# KiCad board keyboard0 - SK6812.kicad_pcb (continued)
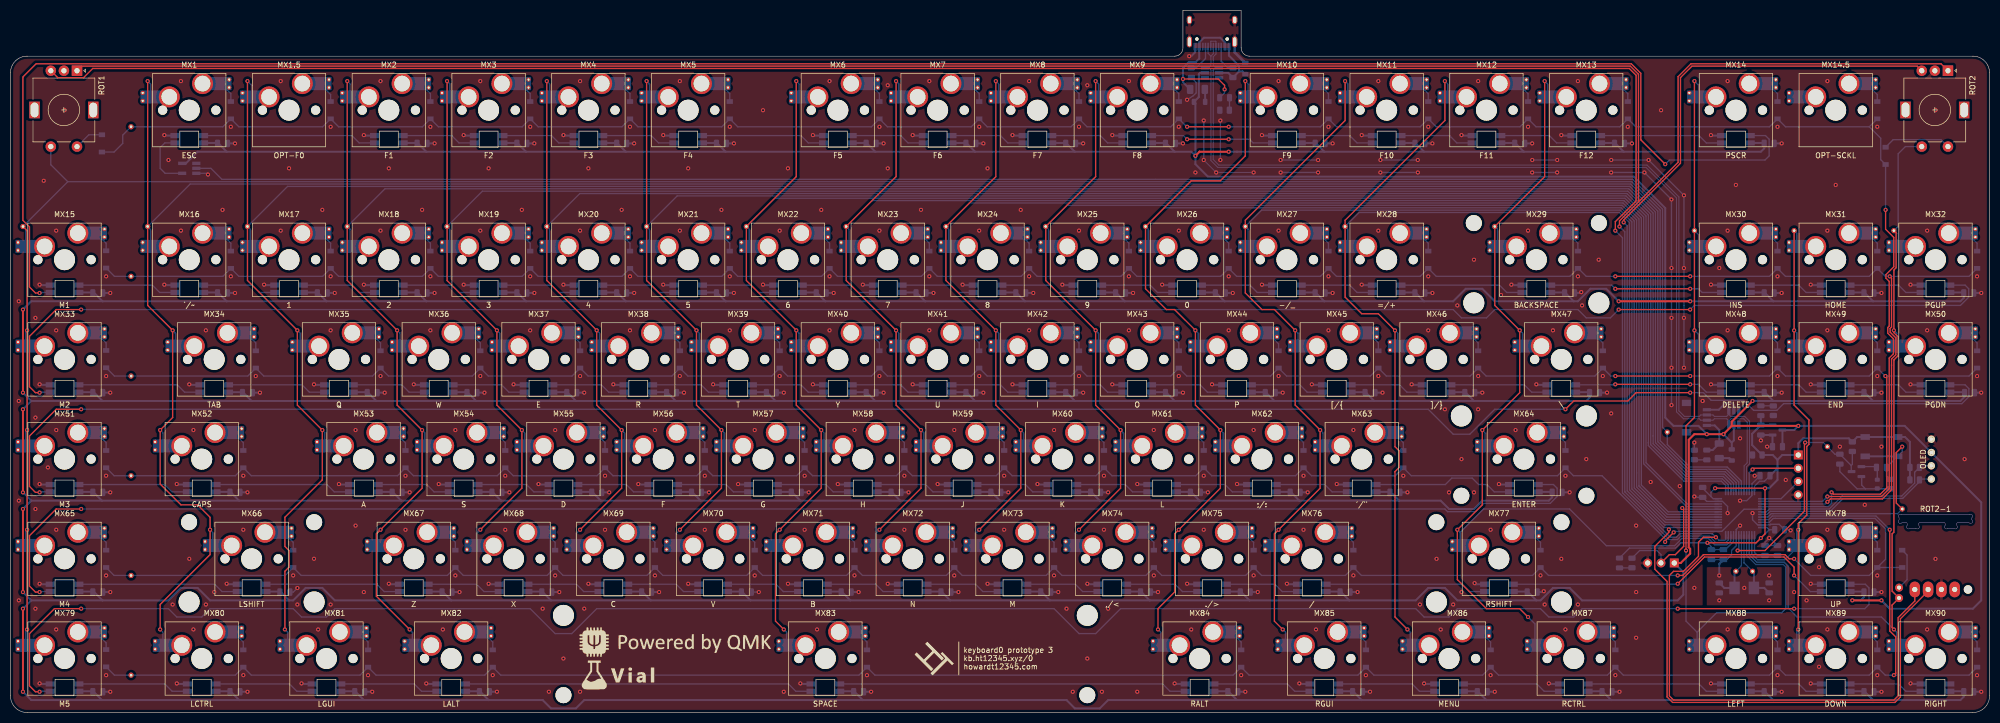
[diagram p0: board, top side]
## Routing (per net, layer and track width the routed paths; a pad name or vN(x,y) marks a point on that pad's centre or on a via; arc(x,y) is an arc through that point) (continued)
Earth: length 4.9
  Bottom w0.508: USB1.13 233.7,126.13 FB5.2
ENCODER_A: length 586.7
  Top w0.25: 13.57,123.5 309.22,123.5 310.79,121.94 310.79,97.56 ; v1(307.16,92.86) 307.16,93.94 318.35,105.13 318.35,121.49 320.81,123.95 368.54,123.95 ROT2.A ; ROT2-1.A 363.53,21.29 360.34,18.1 360.34,3.17 359.55,2.38 317.48,2.38 316.69,3.17 316.69,26.19 317.48,26.99 319.38,26.99 322.24,29.84 322.24,32.54 323.19,33.49 v1(325.57,33.49)
  Bottom w0.25: U14.12 327.43,33.08 327.29,32.94 326.12,32.94 v1(325.57,33.49) 324.89,34.17 318.71,34.17 318.04,33.5 316.85,33.5 308.18,42.17 308.18,91.85 v1(307.16,92.86)
ENCODER_B1: length 411.8
  Top w0.25: ROT1.B 9.02,121.3 13.96,121.3 15.71,123.05 309.04,123.05 310.34,121.75 310.34,97.75 306.37,93.78 v1(306.37,92.07)
  Bottom w0.25: v1(306.37,92.07) 307.73,90.71 307.73,41.98 315.93,33.77 316.66,33.05 318.22,33.05 318.89,33.72 324.31,33.72 325.54,32.49 327.47,32.49 327.9,32.92 327.9,33.44
ENCODER_B2: length 253.5
  Top w0.25: v1(316.59,34.99) 316.59,34.43 313.91,31.75 313.91,27.38 316.24,25.05 316.24,2.99 317.29,1.93 359.73,1.93 360.79,2.99 360.79,17.91 366.07,23.19 ; v1(307.96,93.66) 307.96,94.09 318.8,104.94 318.8,121.31 321,123.5 363.99,123.5 ROT2.B
  Bottom w0.25: v1(307.96,93.66) 308.63,92.99 308.63,42.35 315.63,35.35 316.23,35.35 v1(316.59,34.99) 316.95,35.35 U14.13
KEYBOARD_RESET: length 46.7
  Top w0.25: v1(342.6,51.59) 342.47,51.45 342.47,38.48 334.94,30.95 v1(329.7,30.95)
  Bottom w0.25: v1(329.7,30.95) 329.93,31.18 U14.7 ; 351.4,47.19 351.4,46.03 ; 351.4,47.19 351.61,47.4 R5.2 ; 351.4,47.19 C4.1 348.28,49.37 RST1.1 346.05,51.59 v1(342.6,51.59)
KEYBOARD_XTAL1: length 14.2
  Bottom w0.25: U14.5 330.93,28.62 X1.1
  Bottom w0.381: X1.1 332.82,26.72 Y2.1 334.79,23.81 C3.1
KEYBOARD_XTAL2: length 14
  Bottom w0.25: U14.6 330.43,28.03 X2.1
  Bottom w0.381: C7.1 327.16,23.81 Y2.2 329.12,26.72 X2.1
ROT1_ROW: length 459.6
  Top w0.25: v1(346.85,41.27) 357.16,41.27 358.65,42.75 358.65,67.73 359.46,68.55 359.46,71.39 358.37,72.49 358.37,73.55 358.65,73.83 358.65,82.37 358.03,82.99 358.03,83.67 359.52,85.15 359.52,90.78 357.96,92.33 v1(357.96,96.04) ; v1(224.62,111.91) v1(232.55,111.91)
  Bottom w0.25: v1(346.85,41.27) 345.92,40.35 U14.38 ; 354.85,111.91 338.85,111.91 KD14.1 335.8,111.91 310.27,111.91 KD13.1 307.22,111.91 291.23,111.91 KD12.1 288.18,111.91 272.18,111.91 KD11.1 269.13,111.91 253.13,111.91 KD10.1 250.08,111.91 v1(232.55,111.91) ; 354.85,111.91 KD14-1.1 ; 354.85,111.91 357.03,109.72 357.03,105.63 D4.1 v1(357.96,96.04) ; v1(224.62,111.91) 224.55,111.91 KD9.1 221.5,111.91 205.51,111.91 KD8.1 202.46,111.91 186.46,111.91 KD7.1 183.41,111.91 167.41,111.91 KD6.1 164.36,111.91 138.83,111.91 KD5.1 135.79,111.91 119.79,111.91 KD4.1 116.74,111.91 100.74,111.91 KD3.1 97.69,111.91 81.69,111.91 KD2.1 78.64,111.91 62.64,111.91 KD1-1.1 59.59,111.91 43.59,111.91 KD1.1 40.54,111.91 ROW0.1 21.43,110.32 21.43,108.74 19.78,107.09 D3.1
ROT2-1_ROW: length 395.4
  Top w0.25: v1(340.5,29.37) 339.55,29.37 338.75,30.16 323.19,30.16 319.23,26.19 v1(318.27,26.19)
  Bottom w0.25: v1(318.27,26.19) 293.61,26.19 KD77.1 290.56,26.19 257.89,26.19 KD76.1 254.84,26.19 238.84,26.19 KD75.1 235.79,26.19 219.79,26.19 KD74.1 216.74,26.19 200.74,26.19 KD73.1 197.69,26.19 181.69,26.19 KD72.1 178.65,26.19 162.65,26.19 KD71.1 159.6,26.19 143.6,26.19 KD70.1 140.55,26.19 124.55,26.19 KD69.1 121.5,26.19 105.5,26.19 KD68.1 102.45,26.19 86.45,26.19 KD67.1 83.4,26.19 55.5,26.19 KD66.1 52.45,26.19 19.78,26.19 KD65.1 ; U14.46 335.76,36.35 336.51,37.09 336.88,37.09 355.95,37.09 357.96,35.08 357.96,29.3 KD78.1 ; v1(340.5,29.37) 343.67,26.19 354.85,26.19 KD78.1 ; KD78.1 D6.1
ROW1: length 446.3
  Top w0.25: v1(346.86,40.26) 347.42,40.82 357.35,40.82 359.1,42.57 359.1,66.35 359.1,66.35 359.1,67.54 359.91,68.36 359.91,71.58 358.82,72.67 358.82,73.37 359.1,73.64 359.1,82.99 v1(358.75,83.34) ; v1(306.37,83.34) v1(320.65,83.34)
  Bottom w0.25: 299.29,84.86 300.81,83.34 v1(306.37,83.34) ; U14.39 346.41,39.85 346.83,40.26 v1(346.86,40.26) ; KD32.1 373.9,83.34 v1(358.75,83.34) 357.9,83.34 KD31.1 354.85,83.34 338.85,83.34 KD30.1 335.8,83.34 v1(320.65,83.34) ; KD29.1 297.7,83.34 272.18,83.34 KD28.1 269.13,83.34 253.13,83.34 KD27.1 250.08,83.34 234.08,83.34 KD26.1 231.03,83.34 215.03,83.34 KD25.1 211.98,83.34 195.98,83.34 KD24.1 192.93,83.34 176.93,83.34 KD23.1 173.88,83.34 157.88,83.34 KD22.1 154.83,83.34 138.83,83.34 KD21.1 135.79,83.34 119.79,83.34 KD20.1 116.74,83.34 100.74,83.34 KD19.1 97.69,83.34 81.69,83.34 KD18.1 78.64,83.34 62.64,83.34 KD17.1 59.59,83.34 43.59,83.34 KD16.1 40.54,83.34 ROW1.1 19.84,83.34 KD15.1
ROW2: length 427
  Top w0.25: v1(357.92,64.29) 358.2,64.01 358.2,42.94 356.98,41.72 347.98,41.72 v1(347.64,42.07) ; v1(306.37,64.29) v1(320.65,64.29)
  Bottom w0.25: v1(306.37,64.29) 305.51,64.29 KD47.1 302.46,64.29 281.7,64.29 KD46.1 278.65,64.29 262.65,64.29 KD45.1 259.6,64.29 243.6,64.29 KD44.1 240.55,64.29 224.55,64.29 KD43.1 221.5,64.29 205.51,64.29 KD42.1 202.46,64.29 186.46,64.29 KD41.1 183.41,64.29 167.41,64.29 KD40.1 164.36,64.29 148.36,64.29 KD39.1 145.31,64.29 129.31,64.29 KD38.1 126.26,64.29 110.26,64.29 KD37.1 107.21,64.29 91.21,64.29 KD36.1 88.16,64.29 72.16,64.29 KD35.1 69.11,64.29 48.35,64.29 KD34.1 45.3,64.29 19.84,64.29 KD33.1 ; v1(320.65,64.29) 335.8,64.29 KD48.1 338.85,64.29 354.85,64.29 KD49.1 357.9,64.29 v1(357.92,64.29) 373.9,64.29 KD50.1 ; U14.40 347.02,39.35 347.64,39.97 v1(347.64,42.07)
ROW3: length 341.4
  Top w0.25: v1(315.87,32.59) 315.87,32.79 v1(317.5,34.42)
  Bottom w0.25: U14.41 330.93,38.85 326.7,34.62 317.7,34.62 v1(317.5,34.42) ; v1(315.87,32.59) 315.87,33.2 303.83,45.24 298.37,45.24 KD64.1 295.32,45.24 267.41,45.24 KD63.1 264.36,45.24 248.37,45.24 KD62.1 245.32,45.24 229.32,45.24 KD61.1 226.27,45.24 210.27,45.24 KD60.1 207.22,45.24 191.22,45.24 KD59.1 188.17,45.24 172.17,45.24 KD58.1 169.12,45.24 153.12,45.24 KD57.1 150.07,45.24 134.07,45.24 KD56.1 131.02,45.24 115.02,45.24 KD55.1 111.97,45.24 95.98,45.24 KD54.1 92.93,45.24 76.93,45.24 KD53.1 73.88,45.24 45.97,45.24 KD52.1 42.92,45.24 ROW3.1 19.78,45.24 KD51.1
ROW5: length 425.3
  Top w0.25: v1(359.55,7.14) 359.89,7.49 359.89,14.46 358.75,15.59 v1(358.75,34.92)
  Bottom w0.25: U14.45 335.63,36.85 336.32,37.54 356.13,37.54 v1(358.75,34.92) ; KD79.1 19.84,7.14 ROW5.1 42.92,7.14 KD80.1 45.97,7.14 66.73,7.14 KD81.1 69.78,7.14 90.54,7.14 KD82.1 93.59,7.14 161.98,7.14 KD83.1 165.03,7.14 233.41,7.14 KD84.1 236.46,7.14 257.22,7.14 KD85.1 260.27,7.14 281.03,7.14 KD86.1 284.08,7.14 304.84,7.14 KD87.1 307.89,7.14 335.8,7.14 KD88.1 338.85,7.14 354.85,7.14 KD89.1 357.9,7.14 v1(359.55,7.14) 373.9,7.14 KD90.1
SCL: length 36.8
  Bottom w0.25: R39.2 363.51,45.92 363.51,43.83 361.04,41.36 349.67,41.36 347.2,38.89 335.76,38.89 335.22,38.35 U14.42 ; OL1.2 364.74,47.15
SDA: length 34.8
  Bottom w0.25: 364.43,44.11 361.23,40.91 349.86,40.91 347.39,38.44 335.95,38.44 335.35,37.85 U14.43 ; OL1.1 364.59,44.61
SWCLK: length 8.3
  Bottom w0.25: U14.37 338.01,40.85 J1.3
SWDIO: length 13.3
  Top w0.25: v1(332.56,46.43) 332.8,46.67 J1.2
  Bottom w0.25: U14.34 331.93,45.8 v1(332.56,46.43)
Net-(C2-Pad1): length 4.8
  Bottom w0.25: R7.1 356.37,46.67 ; 353.4,46.98 356.06,46.98
Net-(D1-Pad1): length 2.4
  Bottom w0.25: D1.1 309.52,27.64
Net-(D2-Pad1): length 2.4
  Bottom w0.25: D2.1 232.71,115.11
Net-(D3-Pad2): length 5.7
  Bottom w0.25: ROT1.S2 14.96,110.39 D3.2
Net-(D4-Pad2): length 13.1
  Bottom w0.25: ROT2.S2 368.54,109.45 359.4,109.45 D4.2
Net-(D5-Pad1): length 2.4
  Bottom w0.25: D5.1 321.47,48.27
Net-(D6-Pad2): length 8.2
  Bottom w0.25: D6.2 362.06,30.09 362.06,25.39 ROT2-1.S2
Net-(D11-Pad1): length 2.4
  Bottom w0.25: D11.1 336.5,58.6
Net-(F1-Pad2): length 2.3
  Bottom w0.381: FB1.1 228.06,119
Net-(F8-Pad2): length 2.6
  Bottom w0.381: F8.2 328.14,48.6 FB15.1
Net-(KD1-1-Pad2): length 4.3
  Bottom w0.25: MX1.5.2 61.11,118.07 KD1-1.2
Net-(KD1-Pad2): length 4.2
  Bottom w0.25: KD1.2 42.07,118.24 40.14,120.17
Net-(KD2-Pad2): length 4.2
  Bottom w0.25: 78.24,120.17 80.16,118.24 KD2.2
Net-(KD3-Pad2): length 4.2
  Bottom w0.25: 97.29,120.17 99.21,118.24 KD3.2
Net-(KD4-Pad2): length 4.2
  Bottom w0.25: 116.34,120.17 118.26,118.24 KD4.2
Net-(KD5-Pad2): length 4.2
  Bottom w0.25: KD5.2 137.31,118.24 135.39,120.17
Net-(KD6-Pad2): length 4.2
  Bottom w0.25: KD6.2 165.88,118.24 163.96,120.17
Net-(KD7-Pad2): length 4.2
  Bottom w0.25: KD7.2 184.93,118.24 183.01,120.17
Net-(KD8-Pad2): length 4.2
  Bottom w0.25: KD8.2 203.98,118.24 202.06,120.17
Net-(KD9-Pad2): length 4.2
  Bottom w0.25: 221.11,120.17 223.03,118.24 KD9.2
Net-(KD10-Pad2): length 4.2
  Bottom w0.25: 249.68,120.17 251.6,118.24 KD10.2
Net-(KD11-Pad2): length 4.2
  Bottom w0.25: 268.73,120.17 270.65,118.24 KD11.2
Net-(KD12-Pad2): length 4.2
  Bottom w0.25: KD12.2 289.7,118.24 287.78,120.17
Net-(KD13-Pad2): length 4.2
  Bottom w0.25: KD13.2 308.75,118.24 306.83,120.17
Net-(KD14-1-Pad2): length 4.3
  Bottom w0.25: MX14.5.2 356.37,118.07 KD14-1.2
Net-(KD14-Pad2): length 4.2
  Bottom w0.25: 335.4,120.17 337.32,118.24 KD14.2
Net-(KD15-Pad2): length 4.2
  Bottom w0.25: 16.33,91.59 18.26,89.67 KD15.2
Net-(KD16-Pad2): length 4.2
  Bottom w0.25: 40.14,91.59 42.07,89.67 KD16.2
Net-(KD17-Pad2): length 4.2
  Bottom w0.25: KD17.2 61.11,89.67 59.19,91.59
Net-(KD18-Pad2): length 4.2
  Bottom w0.25: KD18.2 80.16,89.67 78.24,91.59
Net-(KD19-Pad2): length 4.2
  Bottom w0.25: KD19.2 99.21,89.67 97.29,91.59
Net-(KD20-Pad2): length 4.2
  Bottom w0.25: KD20.2 118.26,89.67 116.34,91.59
Net-(KD21-Pad2): length 4.2
  Bottom w0.25: KD21.2 137.31,89.67 135.39,91.59
Net-(KD22-Pad2): length 4.2
  Bottom w0.25: KD22.2 156.36,89.67 154.44,91.59
Net-(KD23-Pad2): length 4.2
  Bottom w0.25: 173.49,91.59 175.41,89.67 KD23.2
Net-(KD24-Pad2): length 4.2
  Bottom w0.25: KD24.2 194.46,89.67 192.53,91.59
Net-(KD25-Pad2): length 4.2
  Bottom w0.25: 211.58,91.59 213.51,89.67 KD25.2
Net-(KD26-Pad2): length 4.2
  Bottom w0.25: 230.63,91.59 232.55,89.67 KD26.2
Net-(KD27-Pad2): length 4.2
  Bottom w0.25: KD27.2 251.6,89.67 249.68,91.59
Net-(KD28-Pad2): length 4.2
  Bottom w0.25: KD28.2 270.65,89.67 268.73,91.59
Net-(KD29-Pad2): length 4.2
  Bottom w0.25: KD29.2 299.22,89.67 297.3,91.59
Net-(KD30-Pad2): length 4.2
  Bottom w0.25: KD30.2 337.32,89.67 335.4,91.59
Net-(KD31-Pad2): length 4.2
  Bottom w0.25: 354.45,91.59 356.37,89.67 KD31.2
Net-(KD32-Pad2): length 4.2
  Bottom w0.25: 373.5,91.59 375.42,89.67 KD32.2
Net-(KD33-Pad2): length 4.2
  Bottom w0.25: 16.33,72.54 18.26,70.62 KD33.2
Net-(KD34-Pad2): length 4.2
  Bottom w0.25: KD34.2 46.83,70.62 44.91,72.54
Net-(KD35-Pad2): length 4.2
  Bottom w0.25: KD35.2 70.64,70.62 68.72,72.54
Net-(KD36-Pad2): length 4.2
  Bottom w0.25: 87.77,72.54 89.69,70.62 KD36.2
Net-(KD37-Pad2): length 4.2
  Bottom w0.25: 106.81,72.54 108.74,70.62 KD37.2
Net-(KD38-Pad2): length 4.2
  Bottom w0.25: 125.86,72.54 127.79,70.62 KD38.2
Net-(KD39-Pad2): length 4.2
  Bottom w0.25: KD39.2 146.83,70.62 144.91,72.54
Net-(KD40-Pad2): length 4.2
  Bottom w0.25: KD40.2 165.88,70.62 163.96,72.54
Net-(KD41-Pad2): length 4.2
  Bottom w0.25: 183.01,72.54 184.93,70.62 KD41.2
Net-(KD42-Pad2): length 4.2
  Bottom w0.25: KD42.2 203.98,70.62 202.06,72.54
Net-(KD43-Pad2): length 4.2
  Bottom w0.25: 221.11,72.54 223.03,70.62 KD43.2
Net-(KD44-Pad2): length 4.3
  Bottom w0.25: MX44.2 242.08,70.45 KD44.2
Net-(KD45-Pad2): length 4.2
  Bottom w0.25: 259.21,72.54 261.13,70.62 KD45.2
Net-(KD46-Pad2): length 4.2
  Bottom w0.25: KD46.2 280.18,70.62 278.25,72.54
Net-(KD47-Pad2): length 4.2
  Bottom w0.25: KD47.2 303.99,70.62 302.07,72.54
Net-(KD48-Pad2): length 4.2
  Bottom w0.25: 335.4,72.54 337.32,70.62 KD48.2
Net-(KD49-Pad2): length 4.2
  Bottom w0.25: KD49.2 356.37,70.62 354.45,72.54
Net-(KD50-Pad2): length 4.2
  Bottom w0.25: KD50.2 375.42,70.62 373.5,72.54
Net-(KD51-Pad2): length 4.2
  Bottom w0.25: KD51.2 18.26,51.57 16.33,53.5
Net-(KD52-Pad2): length 4.2
  Bottom w0.25: 42.53,53.5 44.45,51.57 KD52.2
Net-(KD53-Pad2): length 4.3
  Bottom w0.25: 73.42,53.5 75.4,51.52 KD53.2
Net-(KD54-Pad2): length 4.2
  Bottom w0.25: KD54.2 94.45,51.57 92.53,53.5
Net-(KD55-Pad2): length 4.2
  Bottom w0.25: KD55.2 113.5,51.57 111.58,53.5
Net-(KD56-Pad2): length 4.2
  Bottom w0.25: KD56.2 132.55,51.57 130.63,53.5
Net-(KD57-Pad2): length 4.2
  Bottom w0.25: 149.67,53.5 151.6,51.57 KD57.2
Net-(KD58-Pad2): length 4.2
  Bottom w0.25: 168.72,53.5 170.65,51.57 KD58.2
Net-(KD59-Pad2): length 4.2
  Bottom w0.25: KD59.2 189.69,51.57 187.77,53.5
Net-(KD60-Pad2): length 4.2
  Bottom w0.25: 206.82,53.5 208.74,51.57 KD60.2
Net-(KD61-Pad2): length 4.2
  Bottom w0.25: 225.87,53.5 227.79,51.57 KD61.2
Net-(KD62-Pad2): length 4.2
  Bottom w0.25: 244.92,53.5 246.84,51.57 KD62.2
Net-(KD63-Pad2): length 4.2
  Bottom w0.25: 263.97,53.5 265.89,51.57 KD63.2
Net-(KD64-Pad2): length 4.2
  Bottom w0.25: KD64.2 296.84,51.57 294.92,53.5
Net-(KD65-Pad2): length 4.2
  Bottom w0.25: KD65.2 18.26,32.52 16.33,34.45
Net-(KD66-Pad2): length 4.2
  Bottom w0.25: KD66.2 53.97,32.52 52.05,34.45
Net-(KD67-Pad2): length 4.2
  Bottom w0.25: 83,34.45 84.93,32.52 KD67.2
Net-(KD68-Pad2): length 4.2
  Bottom w0.25: 102.05,34.45 103.97,32.52 KD68.2
Net-(KD69-Pad2): length 4.2
  Bottom w0.25: 121.1,34.45 123.02,32.52 KD69.2
Net-(KD70-Pad2): length 4.2
  Bottom w0.25: 140.15,34.45 142.07,32.52 KD70.2
Net-(KD71-Pad2): length 4.2
  Bottom w0.25: KD71.2 161.12,32.52 159.2,34.45
Net-(KD72-Pad2): length 4.2
  Bottom w0.25: 178.25,34.45 180.17,32.52 KD72.2
Net-(KD73-Pad2): length 4.2
  Bottom w0.25: KD73.2 199.22,32.52 197.3,34.45
Net-(KD74-Pad2): length 4.2
  Bottom w0.25: KD74.2 218.27,32.52 216.35,34.45
Net-(KD75-Pad2): length 4.2
  Bottom w0.25: 235.39,34.45 237.32,32.52 KD75.2
Net-(KD76-Pad2): length 4.2
  Bottom w0.25: KD76.2 256.37,32.52 254.44,34.45
Net-(KD77-Pad2): length 4.2
  Bottom w0.25: KD77.2 292.08,32.52 290.16,34.45
Net-(KD78-Pad2): length 4.2
  Bottom w0.25: KD78.2 356.37,32.52 354.45,34.45
Net-(KD79-Pad2): length 4.2
  Bottom w0.25: MX79.2 18.26,13.3 KD79.2
Net-(KD80-Pad2): length 4.2
  Bottom w0.25: 42.53,15.4 44.45,13.48 KD80.2
Net-(KD81-Pad2): length 4.2
  Bottom w0.25: 66.34,15.4 68.26,13.48 KD81.2
Net-(KD82-Pad2): length 4.2
  Bottom w0.25: KD82.2 92.07,13.48 90.15,15.4
Net-(KD83-Pad2): length 4.2
  Bottom w0.25: KD83.2 163.5,13.48 161.58,15.4
Net-(KD84-Pad2): length 4.2
  Bottom w0.25: KD84.2 234.94,13.48 233.01,15.4
Net-(KD85-Pad2): length 4.2
  Bottom w0.25: 256.82,15.4 258.75,13.48 KD85.2
Net-(KD86-Pad2): length 4.2
  Bottom w0.25: KD86.2 282.56,13.48 280.64,15.4
Net-(KD87-Pad2): length 4.2
  Bottom w0.25: 304.45,15.4 306.37,13.48 KD87.2
Net-(KD88-Pad2): length 4.2
  Bottom w0.25: 335.4,15.4 337.32,13.48 KD88.2
Net-(KD89-Pad2): length 4.2
  Bottom w0.25: 354.45,15.4 356.37,13.48 KD89.2
Net-(KD90-Pad2): length 4.2
  Bottom w0.25: KD90.2 375.42,13.48 373.5,15.4
Net-(LED1-Pad1): length 33.2
  Bottom w0.25: LED2.3 66.58,108.83 65.18,110.23 LED1.1
Net-(LED2-Pad1): length 14.1
  Bottom w0.25: LED2.1 84.23,110.23 85.63,108.83 LED3.3
Net-(LED3-Pad1): length 14.1
  Bottom w0.25: LED3.1 103.27,110.23 104.67,108.83 LED4.3
Net-(LED4-Pad1): length 14.1
  Bottom w0.25: LED5.3 123.72,108.83 122.32,110.23 LED4.1
Net-(LED5-Pad1): length 23.7
  Bottom w0.25: LED6.3 152.3,108.83 150.9,110.23 LED5.1
Net-(LED6-Pad1): length 14.1
  Bottom w0.25: LED6.1 169.95,110.23 171.35,108.83 LED7.3
Net-(LED7-Pad1): length 14.1
  Bottom w0.25: LED8.3 190.39,108.83 188.99,110.23 LED7.1
Net-(LED8-Pad1): length 14.1
  Bottom w0.25: LED9.3 209.44,108.83 208.04,110.23 LED8.1
Net-(LED10-Pad3): length 23.7
  Top w0.25: v1(224.62,109.53) v1(232.55,109.53)
  Bottom w0.25: v1(232.55,109.53) 236.52,109.53 237.22,108.83 LED10.3 ; v1(224.62,109.53) 223.92,110.23 LED9.1
Net-(LED11-Pad1): length 14.1
  Bottom w0.25: LED11.1 274.71,110.23 276.11,108.83 LED12.3
Net-(LED12-Pad1): length 14.1
  Bottom w0.25: LED13.3 295.16,108.83 293.76,110.23 LED12.1
Net-(LED13-Pad1): length 23.7
  Bottom w0.25: LED14.3 323.74,108.83 322.34,110.23 LED13.1
Net-(LED14-Pad1): length 402.6
  Top w0.25: v1(5.56,80.16) 4.76,80.16 3.62,81.3 3.62,92.79 2.38,94.03 2.38,121.44 4.9,123.95 309.41,123.95 311.24,122.12 311.24,109.43 v1(315.89,104.77)
  Bottom w0.25: LED14.1 335.04,110.23 335.74,109.53 335.74,106.36 334.94,105.56 316.69,105.56 v1(315.89,104.77) ; LED15.3 5.65,80.26 v1(5.56,80.16)
Net-(LED15-Pad1): length 18.9
  Bottom w0.25: LED15.1 27.08,81.66 28.48,80.26 LED16.3
Net-(LED16-Pad1): length 14.1
  Bottom w0.25: LED16.1 46.13,81.66 47.53,80.26 LED17.3
Net-(LED17-Pad1): length 14.1
  Bottom w0.25: LED17.1 65.18,81.66 66.58,80.26 LED18.3
Net-(LED18-Pad1): length 14.1
  Bottom w0.25: LED19.3 85.63,80.26 84.23,81.66 LED18.1
Net-(LED19-Pad1): length 14.1
  Bottom w0.25: LED19.1 103.27,81.66 104.67,80.26 LED20.3
Net-(LED21-Pad1): length 14.1
  Bottom w0.25: LED22.3 142.77,80.26 141.37,81.66 LED21.1
Net-(LED22-Pad1): length 14.1
  Bottom w0.25: LED22.1 160.42,81.66 161.82,80.26 LED23.3
Net-(LED23-Pad1): length 14.1
  Bottom w0.25: LED24.3 180.87,80.26 179.47,81.66 LED23.1
Net-(LED24-Pad1): length 14.1
  Bottom w0.25: LED24.1 198.52,81.66 199.92,80.26 LED25.3
Net-(LED25-Pad1): length 14.1
  Bottom w0.25: LED26.3 218.97,80.26 217.57,81.66 LED25.1
Net-(LED26-Pad1): length 14.1
  Bottom w0.25: LED27.3 238.02,80.26 236.62,81.66 LED26.1
Net-(LED27-Pad1): length 14.1
  Bottom w0.25: LED28.3 257.07,80.26 255.67,81.66 LED27.1
Net-(LED28-Pad1): length 23.7
  Bottom w0.25: LED29.3 285.64,80.26 284.24,81.66 LED28.1
Net-(LED29-Pad1): length 33.2
  Top w0.25: v1(306.37,80.96) v1(320.65,80.96)
  Bottom w0.25: v1(320.65,80.96) 322.24,80.96 322.94,80.26 LED30.3 ; v1(306.37,80.96) 305.67,81.66 LED29.1
Net-(LED31-Pad1): length 14.1
  Bottom w0.25: LED31.1 360.43,81.66 361.83,80.26 LED32.3
Net-(LED32-Pad1): length 395.5
  Top w0.25: v1(320.65,76.99) v1(307,76.99) ; v1(5.56,61.11) 4.76,61.11 3.62,62.25 3.62,71.88 8.73,76.99 v1(13.49,76.99)
  Bottom w0.25: LED33.3 5.65,61.21 v1(5.56,61.11) ; v1(307,76.99) 305.42,75.4 300.81,75.4 299.22,76.99 283.35,76.99 281.76,75.4 277,75.4 275.41,76.99 v1(13.49,76.99) ; LED32.1 373.13,81.66 373.83,80.96 373.83,79.37 372.25,77.78 321.45,77.78 v1(320.65,76.99)
Net-(LED33-Pad1): length 23.7
  Bottom w0.25: LED34.3 33.24,61.21 31.84,62.61 LED33.1
Net-(LED34-Pad1): length 18.9
  Bottom w0.25: LED34.1 55.65,62.61 57.05,61.21 LED35.3
Net-(LED35-Pad1): length 14.1
  Bottom w0.25: LED36.3 76.1,61.21 74.7,62.61 LED35.1
Net-(LED36-Pad1): length 14.1
  Bottom w0.25: LED37.3 95.15,61.21 93.75,62.61 LED36.1
Net-(LED37-Pad1): length 14.1
  Bottom w0.25: LED38.3 114.2,61.21 112.8,62.61 LED37.1
Net-(LED38-Pad1): length 14.1
  Bottom w0.25: LED38.1 131.85,62.61 133.25,61.21 LED39.3
Net-(LED39-Pad1): length 14.1
  Bottom w0.25: LED40.3 152.3,61.21 150.9,62.61 LED39.1
Net-(LED41-Pad1): length 14.1
  Bottom w0.25: LED42.3 190.39,61.21 188.99,62.61 LED41.1
Net-(LED42-Pad1): length 14.1
  Bottom w0.25: LED42.1 208.04,62.61 209.44,61.21 LED43.3
Net-(LED43-Pad1): length 14.1
  Bottom w0.25: LED44.3 228.49,61.21 227.09,62.61 LED43.1
Net-(LED44-Pad1): length 14.1
  Bottom w0.25: LED44.1 246.14,62.61 247.54,61.21 LED45.3
Net-(LED45-Pad1): length 14.1
  Bottom w0.25: LED45.1 265.19,62.61 266.59,61.21 LED46.3
Net-(LED46-Pad1): length 18.9
  Bottom w0.25: LED47.3 290.4,61.21 289,62.61 LED46.1
Net-(LED47-Pad1): length 28.5
  Top w0.25: v1(306.37,62.7) v1(320.65,62.7)
  Bottom w0.25: LED47.1 306.27,62.61 v1(306.37,62.7) ; v1(320.65,62.7) 322.24,62.7 323.74,61.21 LED48.3
Net-(LED48-Pad1): length 14.1
  Bottom w0.25: LED49.3 342.78,61.21 341.38,62.61 LED48.1
Net-(LED49-Pad1): length 14.1
  Bottom w0.25: LED49.1 360.43,62.61 361.83,61.21 LED50.3
Net-(LED51-Pad1): length 21.3
  Bottom w0.25: LED51.1 29.46,43.56 30.86,42.16 LED52.3
Net-(LED52-Pad1): length 26
  Bottom w0.25: LED52.1 60.41,43.56 61.81,42.16 LED53.3
Net-(LED53-Pad1): length 14.1
  Bottom w0.25: LED53.1 79.46,43.56 80.86,42.16 LED54.3
Net-(LED54-Pad1): length 14.1
  Bottom w0.25: LED54.1 98.51,43.56 99.91,42.16 LED55.3
Net-(LED55-Pad1): length 14.1
  Bottom w0.25: LED55.1 117.56,43.56 118.96,42.16 LED56.3
Net-(LED56-Pad1): length 14.1
  Bottom w0.25: LED57.3 138.01,42.16 136.61,43.56 LED56.1
Net-(LED57-Pad1): length 14.1
  Bottom w0.25: LED57.1 155.66,43.56 157.06,42.16 LED58.3
Net-(LED58-Pad1): length 14.1
  Bottom w0.25: LED58.1 174.71,43.56 176.11,42.16 LED59.3
Net-(LED59-Pad1): length 14.1
  Bottom w0.25: LED59.1 193.76,43.56 195.16,42.16 LED60.3
Net-(LED61-Pad1): length 14.1
  Bottom w0.25: LED62.3 233.25,42.16 231.85,43.56 LED61.1
Net-(LED62-Pad1): length 14.1
  Bottom w0.25: LED63.3 252.3,42.16 250.9,43.56 LED62.1
Net-(LED63-Pad1): length 27.1
  Bottom w0.25: LED64.3 283.26,42.16 281.86,43.56 280.27,43.56 279.04,44.79 275.15,44.79 273.92,43.56 LED63.1
Net-(LED64-Pad1): length 314.7
  Top w0.25: v1(5.56,23.02) 4.76,23.02 3.62,24.16 3.62,33.78 8.73,38.89 v1(13.49,38.89)
  Bottom w0.25: v1(13.49,38.89) 273.83,38.89 274.34,38.38 279.66,38.38 281.25,39.96 293.95,39.96 295.26,41.27 295.26,42.86 294.56,43.56 LED64.1 ; LED65.3 5.65,23.11 v1(5.56,23.02)
Net-(LED65-Pad1): length 30.8
  Bottom w0.25: LED66.3 40.38,23.11 38.98,24.51 LED65.1
Net-(LED66-Pad1): length 26
  Bottom w0.25: LED66.1 69.94,24.51 71.34,23.11 LED67.3
Net-(LED67-Pad1): length 14.1
  Bottom w0.25: LED68.3 90.39,23.11 88.99,24.51 LED67.1
Net-(LED68-Pad1): length 14.1
  Bottom w0.25: LED68.1 108.04,24.51 109.44,23.11 LED69.3
Net-(LED69-Pad1): length 14.1
  Bottom w0.25: LED70.3 128.49,23.11 127.09,24.51 LED69.1
Net-(LED71-Pad1): length 14.1
  Bottom w0.25: LED71.1 165.18,24.51 166.58,23.11 LED72.3
Net-(LED72-Pad1): length 14.1
  Bottom w0.25: LED73.3 185.63,23.11 184.23,24.51 LED72.1
Net-(LED73-Pad1): length 14.1
  Bottom w0.25: LED74.3 204.68,23.11 203.28,24.51 LED73.1
Net-(LED74-Pad1): length 14.1
  Bottom w0.25: LED74.1 222.33,24.51 223.73,23.11 LED75.3
Net-(LED75-Pad1): length 14.1
  Bottom w0.25: LED76.3 242.78,23.11 241.38,24.51 LED75.1
Net-(LED76-Pad1): length 30.8
  Bottom w0.25: LED76.1 277.1,24.51 278.5,23.11 LED77.3
Net-(LED77-Pad1): length 64.6
  Top w0.25: v1(318.27,24.6) 323.38,29.71 338.57,29.71 340.5,27.78 v1(340.5,26.19)
  Bottom w0.25: LED77.1 318.18,24.51 v1(318.27,24.6) ; v1(340.5,26.19) 343.58,23.11 LED78.3
Net-(LED78-Pad1): length 388.1
  Top w0.25: v1(5.56,3.97) 4.76,3.97 3.62,5.11 3.62,15.08 8.39,19.84 v1(13.49,19.84) ; v1(318.27,19.84) v1(340.5,19.84)
  Bottom w0.25: v1(13.49,19.84) 30.16,19.84 31.75,18.26 36.51,18.26 38.1,19.84 53.97,19.84 55.56,18.26 60.32,18.26 61.91,19.84 99.21,19.84 103.97,15.08 107.15,15.08 111.91,19.84 199.22,19.84 203.98,15.08 207.16,15.08 211.92,19.84 268.27,19.84 269.86,18.26 274.62,18.26 276.21,19.84 292.08,19.84 293.67,18.26 298.43,18.26 300.02,19.84 v1(318.27,19.84) ; v1(5.56,3.97) 5.65,4.06 LED79.3 ; v1(340.5,19.84) 353.99,19.84 354.78,20.64 354.78,23.81 354.08,24.51 LED78.1
Net-(LED79-Pad1): length 21.3
  Bottom w0.25: LED79.1 29.46,5.46 30.86,4.06 LED80.3
Net-(LED81-Pad1): length 18.9
  Bottom w0.25: LED81.1 77.08,5.46 78.48,4.06 LED82.3
Net-(LED82-Pad1): length 66.5
  Bottom w0.25: LED83.3 149.92,4.06 148.52,5.46 LED82.1
Net-(LED83-Pad1): length 66.5
  Bottom w0.25: LED84.3 221.35,4.06 219.95,5.46 LED83.1
Net-(LED84-Pad1): length 18.9
  Bottom w0.25: LED85.3 245.16,4.06 243.76,5.46 LED84.1
Net-(LED85-Pad1): length 18.9
  Bottom w0.25: LED86.3 268.97,4.06 267.57,5.46 LED85.1
Net-(LED86-Pad1): length 18.9
  Bottom w0.25: LED86.1 291.38,5.46 292.78,4.06 LED87.3
Net-(LED87-Pad1): length 26
  Bottom w0.25: LED88.3 323.74,4.06 322.34,5.46 LED87.1
Net-(LED88-Pad1): length 14.1
  Bottom w0.25: LED88.1 341.38,5.46 342.78,4.06 LED89.3
Net-(LED89-Pad1): length 14.1
  Bottom w0.25: LED89.1 360.43,5.46 361.83,4.06 LED90.3
Net-(R12-Pad1): length 5.6
  Bottom w0.25: R12.1 232.44,123.14 231.13,124.45 USB1.10
Net-(R13-Pad1): length 5.7
  Bottom w0.25: R13.1 226.32,123.14 228.13,124.95 USB1.4

## Copper pours and planes (outline as drawn; the poured copper is in the pictures)
GND on Top: 221.44,129.37 221.44,126.2 237.32,126.2 237.32,129.37 381.77,129.37 381.77,-3.97 -3.97,-3.97 -3.97,129.37 ; 1 cut-out
GND on Top: 338.12,19.84 323.83,19.84 323.83,27.78 338.12,27.78
GND on Bottom: 338.12,19.84 323.83,19.84 323.83,27.78 338.12,27.78
GND on Bottom: 221.44,129.37 221.44,126.2 237.32,126.2 237.32,129.37 381.77,129.37 381.77,-3.97 -3.97,-3.97 -3.97,129.37 ; 1 cut-out
Earth on Top: 236.52,126.99 222.24,126.99 222.24,134.14 236.52,134.14
Earth on Bottom: 236.52,126.99 222.24,126.99 222.24,134.14 236.52,134.14

## Text on the board
B.Silkscreen: JLCJLCJLCJLC | keyboard0 prototype 3 | kb.ht12345.xyz/0 | howardt12345.com | © 2022 Howard Tseng | 3V3 | SWDIO | SWCLK | GND | B2 | 5V
F.Silkscreen: keyboard0 prototype 3 | kb.ht12345.xyz/0 | howardt12345.com
